# Altium PCB Prom21_Oculink_GPU_Ver0.1.PcbDoc (part 1 of 2) (continued)
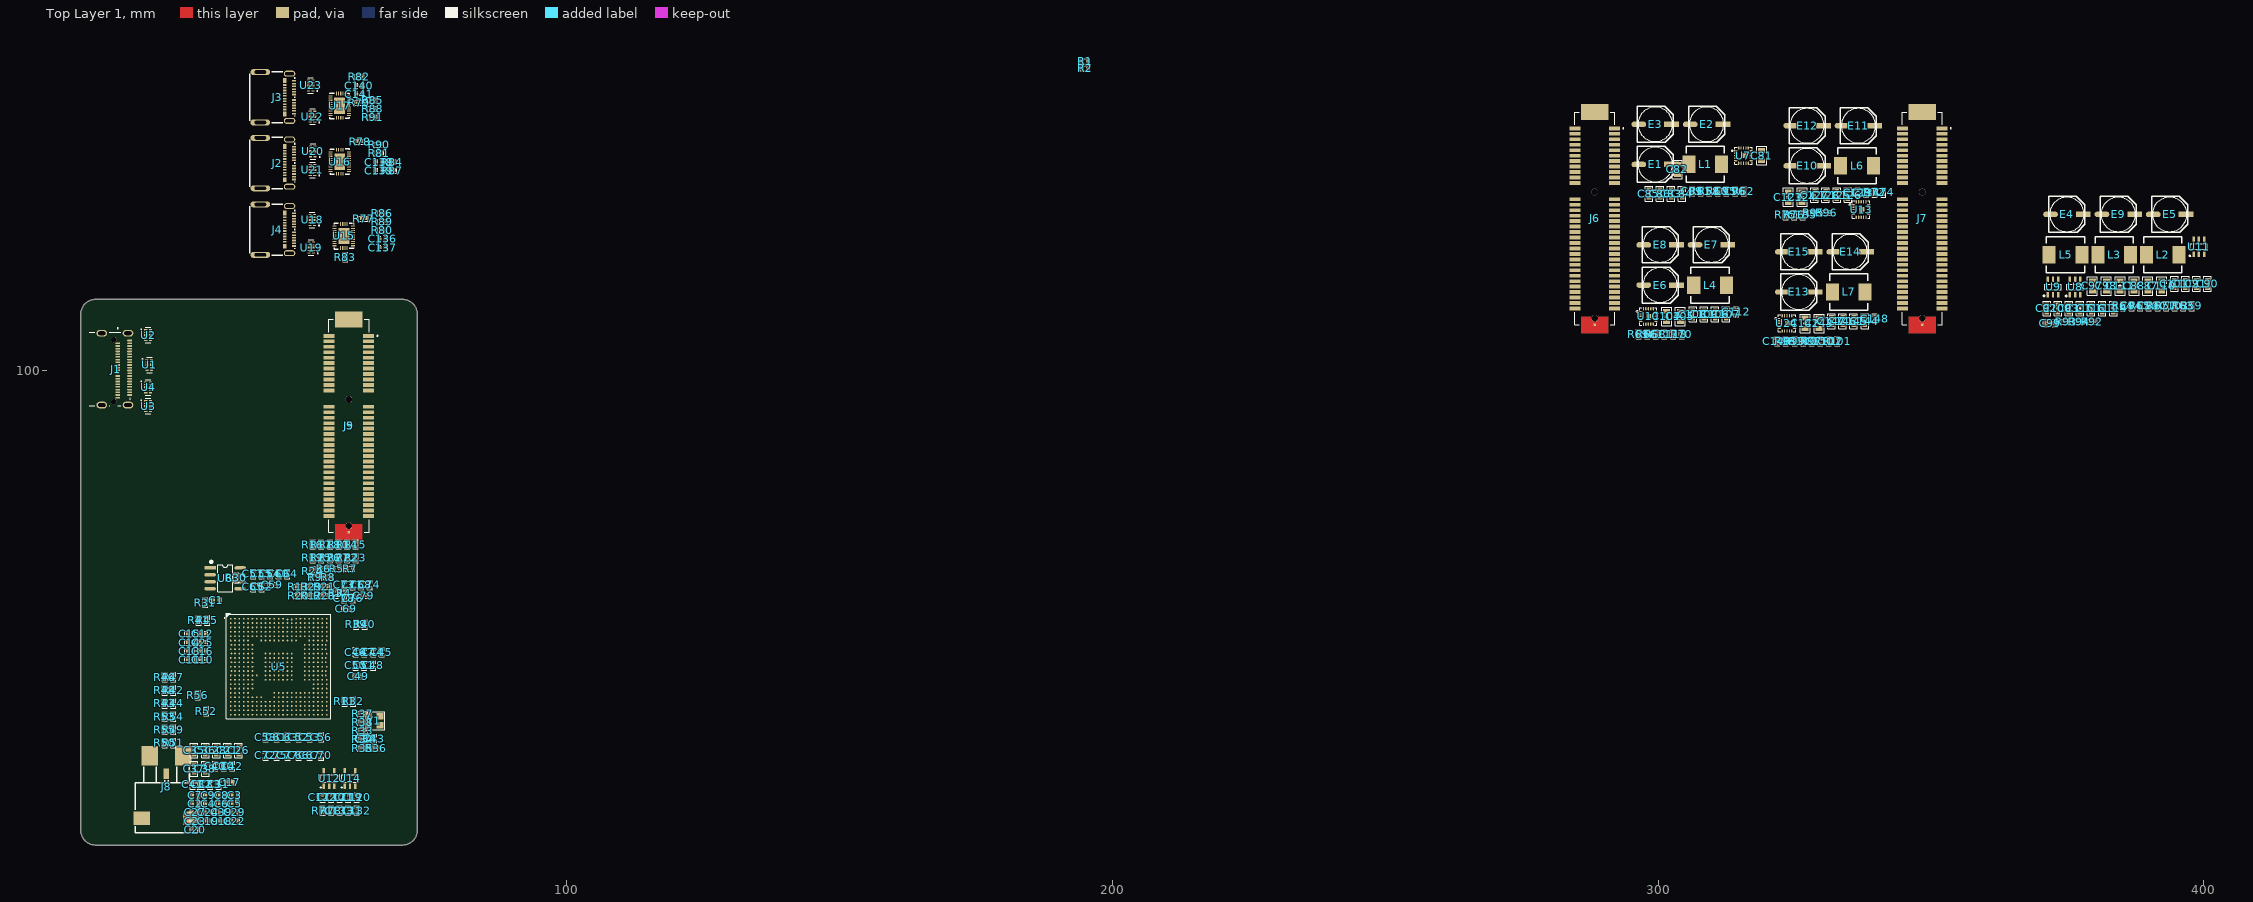
[diagram p0: Top Layer 1 view]
## Classes and differential pairs (continued)
differential pair CAP_DPE_TX0: +CAP_DPE_TX0_P -CAP_DPE_TX0_N
differential pair SS0_TX: +SS0_TX_P -SS0_TX_N
differential pair SS0_RX: +SS0_RX_P -SS0_RX_N

## Components (designator, comment, footprint, x,y, rotation, side; value= is the part's Value field where it differs from the comment)
C1 "100nF 6.3V" C0402_L 35.801,57.818 r0 top
C2 "100nF 6.3V" C0402_L 31.952,20.513 r0 top
C3 "100nF 6.3V" C0402_L 39.183,22.088 r0 top
C4 "100nF 6.3V" C0402_L 34.363,20.513 r0 top
C5 "100nF 6.3V" C0402_L 39.183,20.513 r0 top
C6 "100nF 6.3V" C0402_L 36.773,20.513 r0 top
C7 "100nF 6.3V" C0402_L 31.952,22.088 r0 top
C8 "100nF 6.3V" C0402_L 36.773,22.088 r0 top
C9 "100nF 6.3V" C0402_L 34.363,22.088 r0 top
C10 "100nF 6.3V" C0402_L 33.347,46.926 r0 top
C11 "100nF 6.3V" C0402_L 30.936,46.926 r0 top
C12 "100nF 6.3V" C0402_L 33.347,51.651 r0 top
C13 "100nF 6.3V" C0402_L 30.936,48.501 r0 top
C14 "100nF 6.3V" C0402_L 30.936,50.076 r0 top
C15 "100nF 6.3V" C0402_L 30.936,51.651 r0 top
C16 "100nF 6.3V" C0402_L 33.347,48.501 r0 top
C17 "100nF 6.3V" C0402_L 38.251,24.498 r0 top
C18 "100nF 6.3V" C0402_L 36.773,17.363 r0 top
C19 "100nF 6.3V" C0402_L 34.363,17.363 r0 top
C20 "100nF 6.3V" C0402_L 31.952,15.788 r0 top
C21 "10uF 6.3V" C0603_L 37.859,30.315 r90 top
C22 "100nF 6.3V" C0402_L 39.183,17.363 r0 top
C23 "100nF 6.3V" C0402_L 31.952,17.363 r0 top
C24 "100nF 6.3V" C0402_L 34.363,18.938 r0 top
C25 "100nF 6.3V" C0402_L 33.347,50.076 r0 top
C26 "10uF 6.3V" C0603_L 39.891,30.315 r90 top
C27 "100nF 6.3V" C0402_L 31.952,18.938 r0 top
C28 "10uF 6.3V" C0603_L 35.827,30.315 r90 top
C29 "100nF 6.3V" C0402_L 39.183,18.938 r0 top
C30 "100nF 6.3V" C0402_L 37.173,27.433 r90 top
C31 "100nF 6.3V" C0402_L 36.259,24.08 r90 top
C32 "100nF 6.3V" C0402_L 33.109,24.08 r90 top
C33 "100nF 6.3V" C0402_L 34.684,24.08 r90 top
C34 "22pF 50V" C0402_L 63.157,32.414 r90 top
C35 "10uF 6.3V" C0603_L 31.763,30.315 r90 top
C36 "10uF 6.3V" C0603_L 33.795,30.315 r90 top
C37 "10uF 6.3V" C0603_L 31.763,26.962 r90 top
C38 "10uF 6.3V" C0603_L 33.795,26.962 r90 top
C39 "100nF 6.3V" C0402_L 36.773,18.938 r0 top
C40 "100nF 6.3V" C0402_L 35.598,27.433 r90 top
C41 "100nF 6.3V" C0402_L 31.534,24.08 r90 top
C42 "100nF 6.3V" C0402_L 38.748,27.433 r90 top
C43 "22pF 50V" C0402_L 64.732,32.414 r90 top
C44 "100nF 6.3V" C0402_L 64.529,48.312 r90 top
C45 "100nF 6.3V" C0402_L 66.104,48.312 r90 top
C46 "100nF 6.3V" C0402_L 61.379,48.312 r90 top
C47 "100nF 6.3V" C0402_L 62.954,48.312 r90 top
C48 "100nF 6.3V" C0402_L 64.529,45.901 r90 top
C49 "100nF 6.3V" C0402_L 61.797,43.909 r0 top
C50 "100nF 6.3V" C0402_L 61.379,45.901 r90 top
C51 "100nF 6.3V" C0402_L 62.954,45.901 r90 top
C52 "100nF 6.3V" C0402_L 50.94,32.728 r90 top
C53 "100nF 6.3V" C0402_L 52.972,32.728 r90 top
C54 "100nF 6.3V" C0402_L 45.682,62.67 r90 top
C55 "100nF 6.3V" C0402_L 44.107,62.67 r90 top
C56 "100nF 6.3V" C0402_L 55.004,32.728 r90 top
C57 "100nF 6.3V" C0402_L 42.533,62.67 r90 top
C58 "100nF 6.3V" C0402_L 44.844,32.728 r90 top
C59 "100nF 6.3V" C0402_L 46.1,60.677 r0 top
C60 "100nF 6.3V" C0402_L 47.257,62.67 r90 top
C61 "100nF 6.3V" C0402_L 46.876,32.728 r90 top
C62 "100nF 6.3V" C0402_L 44.107,60.259 r90 top
C63 "100nF 6.3V" C0402_L 48.908,32.728 r90 top
C64 "100nF 6.3V" C0402_L 48.832,62.67 r90 top
C65 "100nF 6.3V" C0402_L 42.533,60.259 r90 top
C66 "100nF 6.3V" C0402_L 50.94,29.375 r90 top
C67 "100nF 6.3V" C0402_L 52.972,29.375 r90 top
C68 "100nF 6.3V" C0402_L 62.37,60.631 r90 top
C69 "100nF 6.3V" C0402_L 59.638,56.228 r0 top
C70 "100nF 6.3V" C0402_L 55.004,29.375 r90 top
C71 "100nF 6.3V" C0402_L 60.795,60.631 r90 top
C72 "100nF 6.3V" C0402_L 44.844,29.375 r90 top
C73 "100nF 6.3V" C0402_L 59.22,60.631 r90 top
C74 "100nF 6.3V" C0402_L 63.945,60.631 r90 top
C75 "100nF 6.3V" C0402_L 46.876,29.375 r90 top
C76 "100nF 6.3V" C0402_L 60.795,58.22 r90 top
C77 "100nF 6.3V" C0402_L 48.908,29.375 r90 top
C78 "100nF 6.3V" C0402_L 59.22,58.22 r90 top
C79 "100nF 6.3V" C0402_L 62.788,58.638 r0 top
C80 "100nF 25V" C0402_L 389.941,111.773 r90 top
C81 "22uF 25V" C0805_L 318.982,139.299 r90 top
C82 "22uF 25V" C0805_L 303.53,136.763 r90 top
C83 "22uF 6.3V" C0603_L 302.387,132.317 r90 top
C84 "22uF 6.3V" C0603_L 304.419,132.317 r90 top
C85 "22uF 6.3V" C0603_L 298.323,132.317 r90 top
C86 "22uF 6.3V" C0603_L 300.355,132.317 r90 top
C87 "22uF 25V" C0805_L 389.751,115.427 r90 top
C88 "22uF 25V" C0805_L 387.211,115.427 r90 top
C89 "100nF 25V" C0402_L 306.222,132.788 r90 top
C90 "22uF 6.3V" C0603_L 400.673,115.807 r90 top
C91 "22uF 6.3V" C0603_L 398.641,115.807 r90 top
C92 "22uF 6.3V" C0603_L 371.221,111.301 r90 top
C93 "22uF 6.3V" C0603_L 375.285,111.301 r90 top
C94 "100nF 25V" C0402_L 386.791,111.773 r90 top
C95 "10nF 25V" C0402_L 312.522,132.788 r90 top
C96 "2.2uF 25V" C0402_L 314.096,132.788 r90 top
C97 "22uF 25V" C0805_L 379.591,115.427 r90 top
C98 "22uF 25V" C0805_L 382.131,115.427 r90 top
C99 "22uF 6.3V" C0603_L 371.881,108.609 r0 top
C100 "22uF 6.3V" C0603_L 373.253,111.301 r90 top
C101 "22uF 6.3V" C0603_L 394.577,115.807 r90 top
C102 "22uF 6.3V" C0603_L 396.609,115.807 r90 top
C103 "100nF 25V" C0402_L 394.665,111.773 r90 top
C104 "22uF 25V" C0805_L 301.552,109.839 r90 top
C105 "22uF 25V" C0805_L 304.092,109.839 r90 top
C106 "22uF 6.3V" C0603_L 310.442,110.219 r90 top
C107 "22uF 6.3V" C0603_L 312.474,110.219 r90 top
C108 "22uF 6.3V" C0603_L 306.378,110.219 r90 top
C109 "22uF 6.3V" C0603_L 308.41,110.219 r90 top
C110 "22uF 25V" C0805_L 392.291,115.427 r90 top
C111 "22uF 25V" C0805_L 384.671,115.427 r90 top
C112 "100nF 25V" C0402_L 314.277,110.69 r90 top
C113 "22uF 6.3V" C0603_L 381.381,111.301 r90 top
C114 "22uF 6.3V" C0603_L 383.413,111.301 r90 top
C115 "22uF 6.3V" C0603_L 377.317,111.301 r90 top
C116 "22uF 6.3V" C0603_L 379.349,111.301 r90 top
C117 "10nF 25V" C0402_L 301.168,106.579 r90 top
C118 "2.2uF 25V" C0402_L 302.743,106.579 r90 top
C119 "4.7uF 6.3V" C0402_L 60.008,21.703 r90 top
C120 "100nF 25V" C0402_L 61.583,21.703 r90 top
C121 "4.7uF 6.3V" C0402_L 58.433,21.703 r90 top
C122 "100nF 25V" C0402_L 55.283,21.703 r90 top
C123 "22uF 25V" C0805_L 323.85,131.683 r90 top
C124 "22uF 25V" C0805_L 326.39,131.683 r90 top
C125 "22uF 6.3V" C0603_L 332.74,132.063 r90 top
C126 "22uF 6.3V" C0603_L 334.772,132.063 r90 top
C127 "22uF 6.3V" C0603_L 328.676,132.063 r90 top
C128 "22uF 6.3V" C0603_L 330.708,132.063 r90 top
C129 "100nF 25V" C0402_L 336.575,132.534 r90 top
C130 "4.7uF 6.3V" C0402_L 56.858,21.703 r90 top
C131 "100nF 25V" C0402_L 60.008,19.292 r90 top
C132 "4.7uF 6.3V" C0402_L 61.583,19.292 r90 top
C133 "100nF 25V" C0402_L 58.433,19.292 r90 top
C134 "10nF 25V" C0402_L 338.15,132.534 r90 top
C135 "2.2uF 25V" C0402_L 326.517,128.423 r90 top
C136 "100nF 10V" C0402_L 66.26,124.028 r180 top
C137 "4.7uF 10V NC" C0402_L 66.26,122.453 r180 top
C138 "100nF 10V" C0402_L 65.625,138.125 r180 top
C139 "4.7uF 10V NC" C0402_L 65.625,136.55 r180 top
C140 "100nF 10V" C0402_L 62.023,152.137 r180 top
C141 "4.7uF 10V NC" C0402_L 62.023,150.562 r180 top
C142 "22uF 25V" C0805_L 326.952,108.569 r90 top
C143 "22uF 25V" C0805_L 329.492,108.569 r90 top
C144 "22uF 6.3V" C0603_L 337.874,108.949 r90 top
C145 "22uF 6.3V" C0603_L 335.842,108.949 r90 top
C146 "22uF 6.3V" C0603_L 333.81,108.949 r90 top
C147 "22uF 6.3V" C0603_L 331.778,108.949 r90 top
C148 "100nF 25V" C0402_L 339.677,109.42 r90 top
C149 "10nF 25V" C0402_L 321.843,105.309 r90 top
C150 "2.2uF 25V" C0402_L 329.717,105.309 r90 top
E1 "100uF 25V" "CT 6*4 - R" 299.473,137.674 r0 top
E2 "220uF 6.3V" "CT 6*4 - C" 308.884,145.036 r0 top
E3 "220uF 6.3V" "CT 6*4 - C" 299.473,145.036 r0 top
E4 "220uF 6.3V" "CT 6*4 - C" 374.911,128.526 r0 top
E5 "220uF 6.3V" "CT 6*4 - C" 393.733,128.526 r0 top
E6 "100uF 25V" "CT 6*4 - R" 300.362,115.576 r0 top
E7 "220uF 6.3V" "CT 6*4 - C" 309.773,122.938 r0 top
E8 "220uF 6.3V" "CT 6*4 - C" 300.362,122.938 r0 top
E9 "220uF 6.3V" "CT 6*4 - C" 384.322,128.526 r0 top
E10 "100uF 25V" "CT 6*4 - R" 327.286,137.42 r0 top
E11 "220uF 6.3V" "CT 6*4 - C" 336.697,144.782 r0 top
E12 "220uF 6.3V" "CT 6*4 - C" 327.286,144.782 r0 top
E13 "100uF 25V" "CT 6*4 - R" 325.762,114.306 r0 top
E14 "220uF 6.3V" "CT 6*4 - C" 335.173,121.668 r0 top
E15 "220uF 6.3V" "CT 6*4 - C" 325.762,121.668 r0 top
J1 "OCULink-4i" SFF8611_卧式 17.029,100.168 r270 top
J2 "TYPEC-501S-ACP24H92" "USB-C 24P Molex" 46.957,137.922 r270 top locked
J3 "TYPEC-501S-ACP24H92" "USB-C 24P Molex" 46.957,149.987 r270 top locked
J4 "TYPEC-501S-ACP24H92" "USB-C 24P Molex" 46.957,125.73 r270 top locked
J5 "Pcie Gen4 x4" "PCIe Gen4 X4 贴片" 60.09,94.619 r270 top
J6 "Pcie Gen4 x4" "PCIe Gen4 X4 贴片" 288.39,132.637 r270 top locked
J7 "Pcie Gen4 x4" "PCIe Gen4 X4 贴片" 348.39,132.637 r270 top locked
J8 "ICX301PT-M" CONN-SMD_ICX301PT-M 26.67,23.622 r180 top
J9 "Pcie Gen4 x4" "PCIe Gen4 X4 贴片" 60.09,94.619 r270 top (schematic designator J2)
L1 "1.5uH" L0630贴片电感 308.632,137.674 r0 top
L2 "2.2uH" L0630贴片电感 392.475,121.164 r0 top
L3 "2.2uH" L0630贴片电感 383.567,121.164 r0 top
L4 "6.8uH" L0630贴片电感 309.521,115.576 r0 top
L5 "2.2uH" L0630贴片电感 374.659,121.164 r0 top
L6 "8.2uH" L0630贴片电感 336.445,137.42 r0 top
L7 "8.2uH" L0630贴片电感 334.921,114.306 r0 top
R1 "10K 1% NC" R0402_L 194.989,156.591 r0 top
R2 "10K 1% NC" R0402_L 194.997,155.298 r0 top
R3 "10K 1%" R0402_L 57.689,59.107 r90 top
R4 "10K 1%" R0402_L 59.263,59.107 r90 top
R5 "10K 1%" R0402_L 57.912,63.594 r0 top
R6 "10K 1%" R0402_L 55.501,63.594 r0 top
R7 "10K 1%" R0402_L 60.322,63.594 r0 top
R8 "10K 1%" R0402_L 56.337,62.019 r0 top
R9 "10K 1%" R0402_L 53.926,62.019 r0 top
R10 "10K 1%" R0402_L 58.23,68 r90 top
R11 "10K 1%" R0402_L 59.347,39.298 r90 top
R12 "10K 1%" R0402_L 53.282,58.686 r180 top
R13 "10K 1%" R0402_L 50.872,60.261 r180 top
R14 "10K 1%" R0402_L 59.805,68 r90 top
R15 "10K 1%" R0402_L 61.379,68 r90 top
R16 "10K 1%" R0402_L 53.505,68 r90 top
R17 "10K 1%" R0402_L 55.08,68 r90 top
R18 "10K 1%" R0402_L 56.655,68 r90 top
R19 "10K 1%" R0402_L 53.505,65.59 r90 top
R20 "10K 1%" R0402_L 50.872,58.686 r180 top
R21 "10K 1%" R0402_L 55.693,60.261 r180 top
R22 "10K 1%" R0402_L 59.805,65.59 r90 top
R23 "10K 1%" R0402_L 61.379,65.59 r90 top
R24 "10K 1%" R0402_L 53.505,63.179 r90 top
R25 "10K 1%" R0402_L 55.08,65.59 r90 top
R26 "10K 1%" R0402_L 56.655,65.59 r90 top
R27 "10K 1%" R0402_L 58.23,65.59 r90 top
R28 "10K 1%" R0402_L 55.693,58.686 r180 top
R29 "10K 1%" R0402_L 53.282,60.261 r180 top
R30 "10K 1%" R0402_L 39.44,61.952 r90 top
R31 "10K 1%" R0402_L 33.809,57.404 r90 top
R32 "10K 1%" R0402_L 60.922,39.298 r90 top
R33 "100K 1%" R0402_L 62.683,33.896 r180 top
R34 "100K 1%" R0402_L 62.683,32.321 r180 top
R35 "100K 1%" R0402_L 62.683,30.746 r180 top
R36 "100K 1%" R0402_L 65.093,30.746 r180 top
R37 "100K 1%" R0402_L 62.683,37.046 r180 top
R38 "100K 1%" R0402_L 62.683,35.471 r180 top
R39 "10K 1%  NC" R0402_L 61.43,53.398 r90 top
R40 "12.1K 1%" R0402_L 63.005,53.398 r90 top
R41 "10K 1%" R0402_L 32.55,54.157 r90 top
R42 "10K 1%" R0402_L 27.902,41.333 r90 top
R43 "10K 1%" R0402_L 26.327,38.922 r90 top
R44 "10K 1%" R0402_L 27.902,38.922 r90 top
R45 "10K 1%" R0402_L 34.125,54.157 r90 top
R46 "10K 1%" R0402_L 26.327,43.743 r90 top
R47 "10K 1%" R0402_L 27.902,43.743 r90 top
R48 "10K 1%" R0402_L 26.327,41.333 r90 top
R49 "10K 1%" R0402_L 27.902,34.101 r90 top
R50 "10K 1%" R0402_L 26.327,31.691 r90 top
R51 "12.1K 1%" R0402_L 27.902,31.691 r90 top
R52 "10K 1%" R0402_L 33.922,37.496 r90 top
R53 "10K 1%" R0402_L 26.327,36.512 r90 top
R54 "10K 1%" R0402_L 27.902,36.512 r90 top
R55 "10K 1%" R0402_L 26.327,34.101 r90 top
R56 "10K 1%" R0402_L 32.398,40.456 r90 top
R57 "51K 1%" R0402_L 393.09,111.776 r90 top
R58 "7.5K 1%" R0402_L 309.372,132.791 r90 top
R59 "15K 1%" R0402_L 397.815,111.776 r90 top
R60 "330K 1%" R0402_L 310.947,132.791 r90 top
R61 "15K 1%" R0402_L 307.797,132.791 r90 top
R62 "10K 1%" R0402_L 315.671,132.791 r90 top
R63 "51K 1%" R0402_L 396.24,111.776 r90 top
R64 "15K 1%" R0402_L 385.216,111.776 r90 top
R65 "51K 1%" R0402_L 388.366,111.776 r90 top
R66 "40.2K 1%" R0402_L 298.018,106.582 r90 top
R67 "15K 1%" R0402_L 391.516,111.776 r90 top
R68 "330K 1%" R0402_L 299.593,106.582 r90 top
R69 "15K 1%" R0402_L 296.443,106.582 r90 top
R70 "20K 1%" R0402_L 304.317,106.582 r90 top
R71 "100K 1%" R0402_L 55.283,19.295 r90 top
R72 "110K 1%" R0402_L 339.725,132.537 r90 top
R73 "100K 1%" R0402_L 56.858,19.295 r90 top
R74 "330K 1%" R0402_L 341.3,132.537 r90 top
R75 "15K 1%" R0402_L 323.367,128.426 r90 top
R76 "15K 1%" R0402_L 324.942,128.426 r90 top
R77 "10K 1%" R0402_L 62.782,127.769 r180 top
R78 "10K 1%" R0402_L 62.147,141.866 r180 top
R79 "10K 1%" R0402_L 62.02,148.987 r180 top
R80 "10K 1%" R0402_L 66.257,125.603 r180 top
R81 "10K 1%" R0402_L 65.622,139.7 r180 top
R82 "10K 1%" R0402_L 62.02,153.712 r180 top
R83 "10K 1%" R0402_L 59.461,120.689 r90 top
R84 "10K 1%" R0402_L 68.033,138.125 r180 top
R85 "10K 1%" R0402_L 64.431,149.479 r180 top
R86 "10K 1%" R0402_L 66.257,128.753 r180 top
R87 "10K 1%" R0402_L 68.033,136.55 r180 top
R88 "10K 1%" R0402_L 64.431,147.904 r180 top
R89 "20K 1%" R0402_L 66.257,127.178 r180 top
R90 "20K 1%" R0402_L 65.622,141.275 r180 top
R91 "20K 1%" R0402_L 64.431,146.329 r180 top
R92 "100K 1%" R0402_L 379.587,108.838 r0 top
R93 "100K 1%" R0402_L 374.766,108.838 r0 top
R94 "100K 1%" R0402_L 377.177,108.838 r0 top
R95 "357K 1%" R0402_L 328.513,128.84 r0 top
R96 "51K 1%" R0402_L 330.923,128.84 r0 top
R97 "110K 1%" R0402_L 328.143,105.312 r90 top
R98 "357K 1%" R0402_L 323.418,105.312 r90 top
R99 "330K 1%" R0402_L 324.993,105.312 r90 top
R100 "15K 1%" R0402_L 326.568,105.312 r90 top
R101 "15K 1%" R0402_L 332.867,105.312 r90 top
R102 "51K 1%" R0402_L 331.292,105.312 r90 top
U1 "SEUCS10F3V4B" DIO_TPD4E02B04DQAR 23.531,100.973 r0 top
U2 "SEUCS10F3V4B" DIO_TPD4E02B04DQAR 23.294,106.384 r0 top
U3 "SEUCS10F3V4B" DIO_TPD4E02B04DQAR 23.294,93.375 r0 top
U4 "SEUCS10F3V4B" DIO_TPD4E02B04DQAR 23.294,96.85 r0 top
U5 "PROM21" PROM21 47.231,45.644 r0 top
U6 "CAT25256VI-GT3" SOP8_M 37.424,61.848 r0 top
U7 "TPS56C230RJER" VQFN-20_L3.0-W3.0-P0.45-TL-EP_TI_RJE 315.644,139.287 r0 top
U8 "TPS565201DDCR" SOT23-6L 376.417,115.23 r0 top
U9 "TPS565201DDCR" SOT23-6L 372.359,115.23 r0 top
U10 "TPS56C230RJER" VQFN-20_L3.0-W3.0-P0.45-TL-EP_TI_RJE 298.214,109.827 r0 top
U11 "TPS565201DDCR" SOT23-6L 399.083,122.592 r0 top
U12 "VRH1052LTX" SOT23-5L 56.477,25.163 r0 top
U13 "TPS56C230RJER" VQFN-20_L3.0-W3.0-P0.45-TL-EP_TI_RJE 337.189,129.413 r0 top
U14 "TPSPX3819M5-L-3-3" SOT23-5L 60.301,25.163 r0 top
U15 "VL160" MQFN-28_L4.5-W3.5-P0.40-BL-EP 59.175,124.572 r90 top
U16 "VL160" MQFN-28_L4.5-W3.5-P0.40-BL-EP 58.42,138.176 r270 top
U17 "VL160" MQFN-28_L4.5-W3.5-P0.40-BL-EP 58.413,148.448 r90 top
U18 "TPD4E02B04" DIO_TPD4E02B04DQAR 53.376,127.5 r180 top
U19 "TPD4E02B04" DIO_TPD4E02B04DQAR 53.177,122.436 r180 top
U20 "TPD4E02B04" DIO_TPD4E02B04DQAR 53.503,140.081 r180 top
U21 "TPD4E02B04" DIO_TPD4E02B04DQAR 53.431,136.668 r180 top
U22 "TPD4E02B04" DIO_TPD4E02B04DQAR 53.431,146.431 r180 top
U23 "TPD4E02B04" DIO_TPD4E02B04DQAR 53.086,152.146 r180 top
U24 "TPS56C230RJER" VQFN-20_L3.0-W3.0-P0.45-TL-EP_TI_RJE 323.614,108.557 r0 top
Y1 "25Mhz" OSC-3225-4P 64.756,35.726 r0 top

## Footprints (in the part's own frame and the unit in brackets; to place one, negate y for a bottom-side part, rotate by r counter-clockwise, add the part's x,y. Pads: shape width x height; smd on the part's side, far side on the other; paste and mask are expansions set on the pad)
C0402_L [mm] "贴片MLCC电容"
  rect 0.5x0.5 smd: 1(-0.45,0) 2(0.45,0)
  silkscreen extent -0.87,-0.46 0.88,0.46, body extent -0.5,-0.25 0.5,0.25, height 0.5
C0603_L [mm] "贴片MLCC电容"
  rect 0.75x0.85 smd: 1(-0.725,0) 2(0.725,0)
  silkscreen extent -1.35,-0.69 1.35,0.69, body extent -0.8,-0.4 0.8,0.4, height 0.8
C0805_L [mil] "贴片MLCC电容"
  rect 35x50 smd: 1(-37.4,0) 2(37.4,0)
  silkscreen extent -67,-36 67,36, body extent -39,-26 39,26, height 51
CONN-SMD_ICX301PT-M [mm]
  rect 3x3.5 smd paste+0: 1(-3.05,-5.715) 2(3.05,-5.715)
  rect 3x2.5 smd paste+0: 3(-4.5,5.715) 4(4.5,5.715)
  rect 1x2 smd paste+0: 5(0,-2.415)
  silkscreen extent -5.7,-3.7 5.7,8.38, body extent -5.65,-6.69 5.65,8.41, height 4.7
"CT 6*4 - C" [mm] "直径6mm，高4mm"
  rect 2.7x1 smd: 1(3,0)
  oval 2.7x1 smd: 2(-3,0)
  silkscreen extent -3.3,-3.3 3.3,3.3, body extent -3.5,-3.15 3.5,3.15, height 4
"CT 6*4 - R" [mm] "直径6mm，高4mm"
  rect 2.7x1 smd: 1(3,0)
  oval 2.7x1 smd: 2(-3,0)
  silkscreen extent -3.3,-3.3 3.3,3.3, body extent -3.5,-3.15 3.5,3.15, height 4
DIO_TPD4E02B04DQAR [mm]
  rect 0.565x0.2 smd mask+0: 1(-0.417,1) 2(-0.417,0.5) 4(-0.417,-0.5) 5(-0.417,-1) 6(0.417,-1) 7(0.417,-0.5) 9(0.417,0.5) 10(0.417,1)
  rect 0.565x0.4 smd paste-1 mask+0: 3(-0.417,0) 8(0.417,0)
  silkscreen extent -1.35,-1.42 0.5,1.42, body extent -0.5,-1.25 0.5,1.25, height 0.55
L0630贴片电感 [mm] "L0630贴片电感"
  rect 2.4x3.2 smd paste+0.051: 1(-3,0) 2(3,0)
  silkscreen extent -3.5,-3.3 3.5,3.3, body extent -3.5,-3.3 3.5,3.3, height 3.1
MQFN-28_L4.5-W3.5-P0.40-BL-EP [mm]
  rect 0.2x0.7 smd paste-100: 1(-1.8,-1.7) 2(-1.4,-1.7) 3(-1,-1.7) 4(-0.6,-1.7) 5(-0.2,-1.7) 6(0.2,-1.7) 7(0.6,-1.7) 8(1,-1.7) 9(1.4,-1.7) 10(1.8,-1.7) 15(1.8,1.7) 16(1.4,1.7) 17(1,1.7) 18(0.6,1.7) 19(0.2,1.7) 20(-0.2,1.7) 21(-0.6,1.7) 22(-1,1.7) 23(-1.4,1.7) 24(-1.8,1.7)
  rect 0.7x0.2 smd paste-100: 11(2.2,-0.6) 12(2.2,-0.2) 13(2.2,0.2) 14(2.2,0.6) 25(-2.2,0.6) 26(-2.2,0.2) 27(-2.2,-0.2) 28(-2.2,-0.6)
  rect 3x2 smd paste-100: 29(0,0)
  silkscreen extent -2.41,-1.78 2.29,1.78, body extent -2.26,-1.76 2.26,1.76, height 0.86
OSC-3225-4P [mm] "3.2*2.5*0.7mm(长宽高)                             淘宝ID:黄晶宝石"
  rect 1.3x1.2 smd: 1(-1.05,-0.85) 2(1.05,-0.85) 3(1.05,0.85) 4(-1.05,0.85)
  silkscreen extent -2.03,-1.75 1.91,1.65, body extent -1.6,-1.25 1.6,1.25, height 0.7
"PCIe Gen4 X4 贴片" [mm]
  rect 0.7x2 smd: A1(-11.65,3.6) A2(-10.65,3.6) A3(-9.65,3.6) A4(-8.65,3.6) A5(-7.65,3.6) A6(-6.65,3.6) A7(-5.65,3.6) A8(-4.65,3.6) A9(-3.65,3.6) A10(-2.65,3.6) A11(-1.65,3.6) A12(1.35,3.6) A13(2.35,3.6) A14(3.35,3.6) A15(4.35,3.6) A16(5.35,3.6) A17(6.35,3.6) A18(7.35,3.6) A19(8.35,3.6) A20(9.35,3.6) A21(10.35,3.6) A22(11.35,3.6) A23(12.35,3.6) A24(13.35,3.6) A25(14.35,3.6) A26(15.35,3.6) A27(16.35,3.6) A28(17.35,3.6) A29(18.35,3.6) A30(19.35,3.6) A31(20.35,3.6) A32(21.35,3.6) B1(-11.65,-3.6) B2(-10.65,-3.6) B3(-9.65,-3.6) B4(-8.65,-3.6) B5(-7.65,-3.6) B6(-6.65,-3.6) B7(-5.65,-3.6) B8(-4.65,-3.6) B9(-3.65,-3.6) B10(-2.65,-3.6) B11(-1.65,-3.6) B12(1.35,-3.6) B13(2.35,-3.6) B14(3.35,-3.6) B15(4.35,-3.6) B16(5.35,-3.6) B17(6.35,-3.6) B18(7.35,-3.6) B19(8.35,-3.6) B20(9.35,-3.6) B21(10.35,-3.6) B22(11.35,-3.6) B23(12.35,-3.6) B24(13.35,-3.6) B25(14.35,-3.6) B26(15.35,-3.6) B27(16.35,-3.6) B28(17.35,-3.6) B29(18.35,-3.6) B30(19.35,-3.6) B31(20.35,-3.6) B32(21.35,-3.6)
  rect 3x5 smd: SH1(-14.65,0)
  rect 0.5x0.5 smd paste-1 mask+0: SH2(24.35,0)
  round 1.25 hole 1.25 unplated: ""(0,0) ""(23.15,0)
  Top Layer 1 region: 25.85,-2.5 22.85,-2.5 22.85,-0.625 23.15,-0.625 23.215,-0.622 23.28,-0.611 23.343,-0.594 23.404,-0.571 23.462,-0.541 23.517,-0.506 23.568,-0.464 23.614,-0.418 23.656,-0.367 23.691,-0.312 23.721,-0.254 23.744,-0.193 23.761,-0.13 23.772,-0.065 23.775,0 23.772,0.065 23.761,0.13 23.744,0.193 23.721,0.254 23.691,0.312 23.656,0.367 23.614,0.418 23.568,0.464 23.517,0.506 23.462,0.541 23.404,0.571 23.343,0.594 23.28,0.611 23.215,0.622 23.15,0.625 22.85,0.625 22.85,2.5 25.85,2.5
  silkscreen extent -14.65,-3.7 24.35,5.35, body extent -15.65,-5.1 25.35,4.1, height 11.1
PROM21 [mm] "PROM21 PCI Express Switch"
  round 0.32 smd paste-100: A1(-8.8,8.8) A2(-8,8.8) A3(-7.2,8.8) A4(-6.4,8.8) A5(-5.6,8.8) A6(-4.8,8.8) A7(-4,8.8) A8(-3.2,8.8) A9(-2.4,8.8) A10(-1.6,8.8) A11(-0.8,8.8) A12(0,8.8) A13(0.8,8.8) A14(1.6,8.65) A15(2.4,8.65) A16(3.2,8.8) A17(4,8.8) A18(4.8,8.8) A19(5.6,8.8) A20(6.4,8.8) A21(7.2,8.8) A22(8,8.8) A23(8.8,8.8) AA1(-8.8,-7.2) AA2(-8,-7.2) AA3(-7.2,-7.2) AA4(-6.4,-7.2) AA5(-5.6,-7.2) AA6(-4.8,-7.2) AA7(-4,-7.2) AA8(-3.2,-7.2) AA9(-2.4,-7.2) AA10(-1.6,-7.2) AA11(-0.8,-7.2) AA12(0,-7.2) AA13(0.8,-7.2) AA14(1.6,-7.2) AA15(2.4,-7.2) AA16(3.2,-7.2) AA17(4,-7.2) AA18(4.8,-7.2) AA19(5.6,-7.2) AA20(6.4,-7.2) AA21(7.2,-7.2) AA22(8,-7.2) AA23(8.8,-7.2) AB1(-8.8,-8) AB2(-8,-8) AB3(-7.2,-8) AB4(-6.4,-8) AB5(-5.6,-8) AB6(-4.8,-8) AB7(-4,-8) AB8(-3.2,-8) AB9(-2.4,-8) AB10(-1.6,-8) AB11(-0.8,-8) AB12(0,-8) AB13(0.8,-8) AB14(1.6,-8) AB15(2.4,-8) AB16(3.2,-8) AB17(4,-8) AB18(4.8,-8) AB19(5.6,-8) AB20(6.4,-8) AB21(7.2,-8) AB22(8,-8) AB23(8.8,-8) AC1(-8.8,-8.8) AC2(-8,-8.8) AC3(-7.2,-8.8) AC4(-6.4,-8.8) AC5(-5.6,-8.8) AC6(-4.8,-8.8) AC7(-4,-8.8) AC8(-3.2,-8.8) AC9(-2.4,-8.8) AC10(-1.6,-8.8) AC11(-0.8,-8.8) AC12(0,-8.8) AC13(0.8,-8.8) AC14(1.6,-8.8) AC15(2.4,-8.8) AC16(3.2,-8.8) AC17(4,-8.8) AC18(4.8,-8.8) AC19(5.6,-8.8) AC20(6.4,-8.8) AC21(7.2,-8.8) AC22(8,-8.8) AC23(8.8,-8.8) B1(-8.8,8) B2(-8,8) B3(-7.2,8) B4(-6.4,8) B5(-5.6,8) B6(-4.8,8) B7(-4,8) B8(-3.2,8) B9(-2.4,8) B10(-1.6,8) B11(-0.8,8) B12(0,8) B13(0.8,8) B14(1.6,8) B15(2.4,8) B16(3.2,8) B17(4,8) B18(4.8,8) B19(5.6,8) B20(6.4,8) B21(7.2,8) B22(8,8) B23(8.8,8) C1(-8.8,7.2) C2(-8,7.2) C3(-7.2,7.2) C4(-6.4,7.2) C5(-5.6,7.2) C6(-4.8,7.2) C7(-4,7.2) C8(-3.2,7.2) C9(-2.4,7.2) C10(-1.6,7.2) C11(-0.8,7.2) C12(0,7.2) C13(0.8,7.2) C14(1.6,7.2) C15(2.4,7.2) C16(3.2,7.2) C17(4,7.2) C18(4.8,7.2) C19(5.6,7.2) C20(6.4,7.2) C21(7.2,7.2) C22(8,7.2) C23(8.8,7.2) D1(-8.8,6.4) D2(-8,6.4) D3(-7.2,6.4) D4(-6.4,6.4) D5(-5.6,6.4) D6(-4.8,6.4) D7(-4,6.4) D8(-3.2,6.4) D9(-2.4,6.4) D10(-1.6,6.4) D11(-0.8,6.4) D12(0,6.4) D13(0.8,6.4) D14(1.6,6.4) D15(2.4,6.4) D16(3.2,6.4) D17(4,6.4) D18(4.8,6.4) D19(5.6,6.4) D20(6.4,6.4) D21(7.2,6.4) D22(8,6.4) D23(8.8,6.4) E1(-8.8,5.6) E2(-8,5.6) E3(-7.2,5.6) E4(-6.4,5.6) E5(-5.6,5.6) E6(-4.8,5.6) E7(-4,5.6) E8(-3.2,5.6) E9(-2.4,5.6) E10(-1.6,5.6) E11(-0.8,5.6) E12(0,5.6) E13(0.8,5.6) E14(1.6,5.6) E15(2.4,5.6) E16(3.2,5.6) E17(4,5.6) E18(4.8,5.6) E19(5.6,5.6) E20(6.4,5.6) E21(7.2,5.6) E22(8,5.6) E23(8.8,5.6) F1(-8.8,4.8) F2(-8,4.8) F3(-7.2,4.8) F4(-6.4,4.8) F5(-5.6,4.8) F8(-3.2,4.8) F9(-2.4,4.8) F10(-1.6,4.8) F11(-0.8,4.8) F12(0,4.8) F13(0.8,4.8) F14(1.6,4.8) F15(2.4,4.8) F16(3.2,4.8) F19(5.6,4.8) F20(6.4,4.8) F21(7.2,4.8) F22(8,4.8) F23(8.8,4.8) G1(-8.65,4) G2(-8,4) G3(-7.2,4) G4(-6.4,4) G5(-5.6,4) G6(-4.8,4) G18(4.8,4) G19(5.6,4) G20(6.4,4) G21(7.2,4) G22(8,4) G23(8.65,4) H1(-8.8,3.2) H2(-8,3.2) H3(-7.2,3.2) H4(-6.4,3.2) H5(-5.6,3.2) H6(-4.8,3.2) H18(4.8,3.2) H19(5.6,3.2) H20(6.4,3.2) H21(7.2,3.2) H22(8,3.2) H23(8.65,3.2) J1(-8.65,2.4) J2(-8,2.4) J3(-7.2,2.4) J4(-6.4,2.4) J5(-5.6,2.4) J6(-4.8,2.4) J9(-2.4,2.4) J10(-1.6,2.4) J11(-0.8,2.4) J12(0,2.4) J13(0.8,2.4) J14(1.6,2.4) J15(2.4,2.4) J18(4.8,2.4) J19(5.6,2.4) J20(6.4,2.4) J21(7.2,2.4) J22(8,2.4) J23(8.8,2.4) K1(-8.8,1.6) K2(-8,1.6) K3(-7.2,1.6) K4(-6.4,1.6) K5(-5.6,1.6) K6(-4.8,1.6) K9(-2.4,1.6) K10(-1.6,1.6) K11(-0.8,1.6) K12(0,1.6) K13(0.8,1.6) K14(1.6,1.6) K15(2.4,1.6) K18(4.8,1.6) K19(5.6,1.6) K20(6.4,1.6) K21(7.2,1.6) K22(8,1.6) K23(8.65,1.6) L1(-8.65,0.8) L2(-8,0.8) L3(-7.2,0.8) L4(-6.4,0.8) L5(-5.6,0.8) L6(-4.8,0.8) L9(-2.4,0.8) L10(-1.6,0.8) L11(-0.8,0.8) L12(0,0.8) L13(0.8,0.8) L14(1.6,0.8) L15(2.4,0.8) L18(4.8,0.8) L19(5.6,0.8) L20(6.4,0.8) L21(7.2,0.8) L22(8,0.8) L23(8.65,0.8) M1(-8.8,0) M2(-8,0) M3(-7.2,0) M4(-6.4,0) M5(-5.6,0) M6(-4.8,0) M9(-2.4,0) M10(-1.6,0) M11(-0.8,0) M12(0,0) M13(0.8,0) M14(1.6,0) M15(2.4,0) M18(4.8,0) M19(5.6,0) M20(6.4,0) M21(7.2,0) M22(8,0) M23(8.8,0) N1(-8.65,-0.8) N2(-8,-0.8) N3(-7.2,-0.8) N4(-6.4,-0.8) N5(-5.6,-0.8) N6(-4.8,-0.8) N9(-2.4,-0.8) N10(-1.6,-0.8) N11(-0.8,-0.8) N12(0,-0.8) N13(0.8,-0.8) N14(1.6,-0.8) N15(2.4,-0.8) N18(4.8,-0.8) N19(5.6,-0.8) N20(6.4,-0.8) N21(7.2,-0.8) N22(8,-0.8) N23(8.65,-0.8) P1(-8.8,-1.6) P2(-8,-1.6) P3(-7.2,-1.6) P4(-6.4,-1.6) P5(-5.6,-1.6) P6(-4.8,-1.6) P7(-4,-1.6) P9(-2.4,-1.6) P10(-1.6,-1.6) P11(-0.8,-1.6) P12(0,-1.6) P13(0.8,-1.6) P14(1.6,-1.6) P15(2.4,-1.6) P18(4.8,-1.6) P19(5.6,-1.6) P20(6.4,-1.6) P21(7.2,-1.6) P22(8,-1.6) P23(8.65,-1.6) R1(-8.8,-2.4) R2(-8,-2.4) R3(-7.2,-2.4) R4(-6.4,-2.4) R5(-5.6,-2.4) R6(-4.8,-2.4) R9(-2.4,-2.4) R10(-1.6,-2.4) R11(-0.8,-2.4) R12(0,-2.4) R13(0.8,-2.4) R14(1.6,-2.4) R15(2.4,-2.4) R18(4.8,-2.4) R19(5.6,-2.4) R20(6.4,-2.4) R21(7.2,-2.4) R22(8,-2.4) R23(8.8,-2.4) T1(-8.8,-3.2) T2(-8,-3.2) T3(-7.2,-3.2) T4(-6.4,-3.2) T5(-5.6,-3.2) T6(-4.8,-3.2) T20(6.4,-3.2) T21(7.2,-3.2) T22(8,-3.2) T23(8.8,-3.2) U1(-8.8,-4) U2(-8,-4) U3(-7.2,-4) U4(-6.4,-4) U5(-5.6,-4) U6(-4.8,-4) U20(6.4,-4) U21(7.2,-4) U22(8,-4) U23(8.8,-4) V1(-8.8,-4.8) V2(-8,-4.8) V3(-7.2,-4.8) V4(-6.4,-4.8) V5(-5.6,-4.8) V11(-0.8,-4.8) V12(0,-4.8) V13(0.8,-4.8) V14(1.6,-4.8) V15(2.4,-4.8) V16(3.2,-4.8) V17(4,-4.8) V18(4.8,-4.8) V19(5.6,-4.8) V20(6.4,-4.8) V21(7.2,-4.8) V22(8,-4.8) V23(8.8,-4.8) W1(-8.8,-5.6) W2(-8,-5.6) W3(-7.2,-5.6) W4(-6.4,-5.6) W5(-5.6,-5.6) W6(-4.8,-5.6) W7(-4,-5.6) W8(-3.2,-5.6) W11(-0.8,-5.6) W12(0,-5.6) W13(0.8,-5.6) W14(1.6,-5.6) W15(2.4,-5.6) W16(3.2,-5.6) W17(4,-5.6) W18(4.8,-5.6) W19(5.6,-5.6) W20(6.4,-5.6) W21(7.2,-5.6) W22(8,-5.6) W23(8.8,-5.6) Y1(-8.8,-6.4) Y2(-8,-6.4) Y3(-7.2,-6.4) Y4(-6.4,-6.4) Y5(-5.6,-6.4) Y6(-4.8,-6.4) Y7(-4,-6.4) Y8(-3.2,-6.4) Y9(-2.4,-6.4) Y10(-1.6,-6.4) Y11(-0.8,-6.4) Y12(0,-6.4) Y13(0.8,-6.4) Y14(1.6,-6.4) Y15(2.4,-6.4) Y16(3.2,-6.4) Y17(4,-6.4) Y18(4.8,-6.4) Y19(5.6,-6.4) Y20(6.4,-6.4) Y21(7.2,-6.4) Y22(8,-6.4) Y23(8.8,-6.4)
  silkscreen extent -9.96,-9.58 9.58,9.8, body extent -9.5,-9.5 9.5,9.5, height 1.51
R0402_L [mm] "1/16W贴片电阻"
  rect 0.5x0.5 smd: 1(-0.425,0) 2(0.425,0)
  silkscreen extent -0.88,-0.46 0.87,0.46, body extent -0.5,-0.25 0.5,0.25, height 0.3
SFF8611_卧式 [mm]
  oval 0.31x0.91 smd mask+0: A1(-4.75,0.72) A2(-4.25,0.72) A3(-3.75,0.72) A4(-3.25,0.72) A5(-2.75,0.72) A6(-2.25,0.72) A7(-1.75,0.72) A8(-1.25,0.72) A9(-0.75,0.72) A10(-0.25,0.72) A11(0.25,0.72) A12(0.75,0.72) A13(1.25,0.72) A14(1.75,0.72) A15(2.25,0.72) A16(2.75,0.72) A17(3.25,0.72) A18(3.75,0.72) A19(4.25,0.72) A20(4.75,0.72) A21(5.25,0.72) B1(-5.25,2.91) B2(-4.75,2.91) B3(-4.25,2.91) B4(-3.75,2.91) B5(-3.25,2.91) B6(-2.75,2.91) B7(-2.25,2.91) B8(-1.75,2.91) B9(-1.25,2.91) B10(-0.75,2.91) B11(-0.25,2.91) B12(0.25,2.91) B13(0.75,2.91) B14(1.25,2.91) B15(1.75,2.91) B16(2.25,2.91) B17(2.75,2.91) B18(3.25,2.91) B19(3.75,2.91) B20(4.25,2.91) B21(4.75,2.91)
  oval 1.25x1.95 hole 0.65 slot 1.35 at 90 deg mask+0.102: SH1(-6.58,2.59) SH2(6.58,2.59) SH3(-6.58,-2.2) SH4(6.58,-2.2)
  round 1 hole 1 unplated mask+0.102: ""(-5.41,0) ""(5.94,0)
  silkscreen extent -7.6,-4.46 6.73,3.03, body extent -6.73,-5.98 6.73,3.09, height 3.92
SOP8_M [mm] "5*6*1.8mm（长宽高）"
  rect 2.1x0.6 smd: 1(-2.75,1.905)
  oval 2.1x0.6 smd: 2(-2.75,0.635) 3(-2.75,-0.635) 4(-2.75,-1.905) 5(2.75,-1.905) 6(2.75,-0.635) 7(2.75,0.635) 8(2.75,1.905)
  silkscreen extent -2.69,-2.5 1.4,3.15, body extent -3,-2.5 3,2.5, height 1.9
SOT23-5L [mm] "3x1.6x1.1mm(长宽高)"
  rect 0.45x1 smd: 1(-0.95,-1.4) 2(0,-1.4) 3(0.95,-1.4) 4(0.95,1.4) 5(-0.95,1.4)
  silkscreen extent -1.6,-1.73 1.5,0.66, body extent -1.5,-1.4 1.5,1.4, height 1.15
SOT23-6L [mm] "3x1.6x1.1mm(长宽高)"
  rect 0.45x1 smd: 1(-0.95,-1.397) 2(0,-1.397) 3(0.95,-1.397) 4(0.95,1.397) 5(0,1.397) 6(-0.95,1.397)
  silkscreen extent -1.77,-1.78 1.55,0.51, body extent -1.5,-1.4 1.5,1.4, height 1.15
"USB-C 24P Molex" [mm] "USB-C 24P Molex"
  rect 0.3x0.7 smd paste-100: A1(-3,3.085) A2(-2.5,3.085) A3(-2,3.085) A4(-1.5,3.085) A5(-1,3.085) A6(-0.5,3.085) A7(0.5,3.085) A8(1,3.085) A9(1.5,3.085) A10(2,3.085) A11(2.5,3.085) A12(3,3.085) B2(2.25,1.385) B3(1.75,1.385) B4(1.25,1.385) B5(0.75,1.385) B6(0.25,1.385) B7(-0.25,1.385) B8(-0.75,1.385) B9(-1.25,1.385) B10(-1.75,1.385) B11(-2.25,1.385)
  rect 0.9x0.7 smd paste-100: B1(3.05,1.385) B12(-3.05,1.385)
  oval 1.1x2.1 hole 0.6 slot 1.6 at 90 deg paste-2539.97: SH1(4.32,2.275) SH2(-4.32,2.275)
  oval 1.1x3.6 hole 0.6 slot 2.1 at 90 deg paste-2539.97: SH3(-4.62,-3.085) SH4(4.62,-3.085)
  silkscreen extent -4.69,-5.04 4.69,3.23, body extent -4.89,-5.17 4.89,3.13, height 3.9
VQFN-20_L3.0-W3.0-P0.45-TL-EP_TI_RJE [mm]
  oval 0.6x0.252 smd paste-100: 1(-1.412,0.9) 2(-1.412,0.45) 3(-1.412,0) 4(-1.412,-0.45) 5(-1.412,-0.9) 11(1.412,-0.9) 12(1.412,-0.45) 13(1.412,0) 14(1.412,0.45) 15(1.412,0.9)
  oval 0.252x0.6 smd paste-100: 6(-0.9,-1.412) 7(-0.45,-1.412) 8(0,-1.412) 9(0.45,-1.412) 10(0.9,-1.412) 16(0.9,1.412) 17(0.45,1.412) 18(0,1.412) 19(-0.45,1.412) 20(-0.9,1.412)
  rect 0.975x0.926 smd paste-100: 21(0.123,0)
  silkscreen extent -2.18,-1.58 1.58,1.58, body extent -1.51,-1.51 1.51,1.51, height 0.98